# Allegro board 1155001-Timing_board_V3_20241024_1805_pcb.brd (continued)
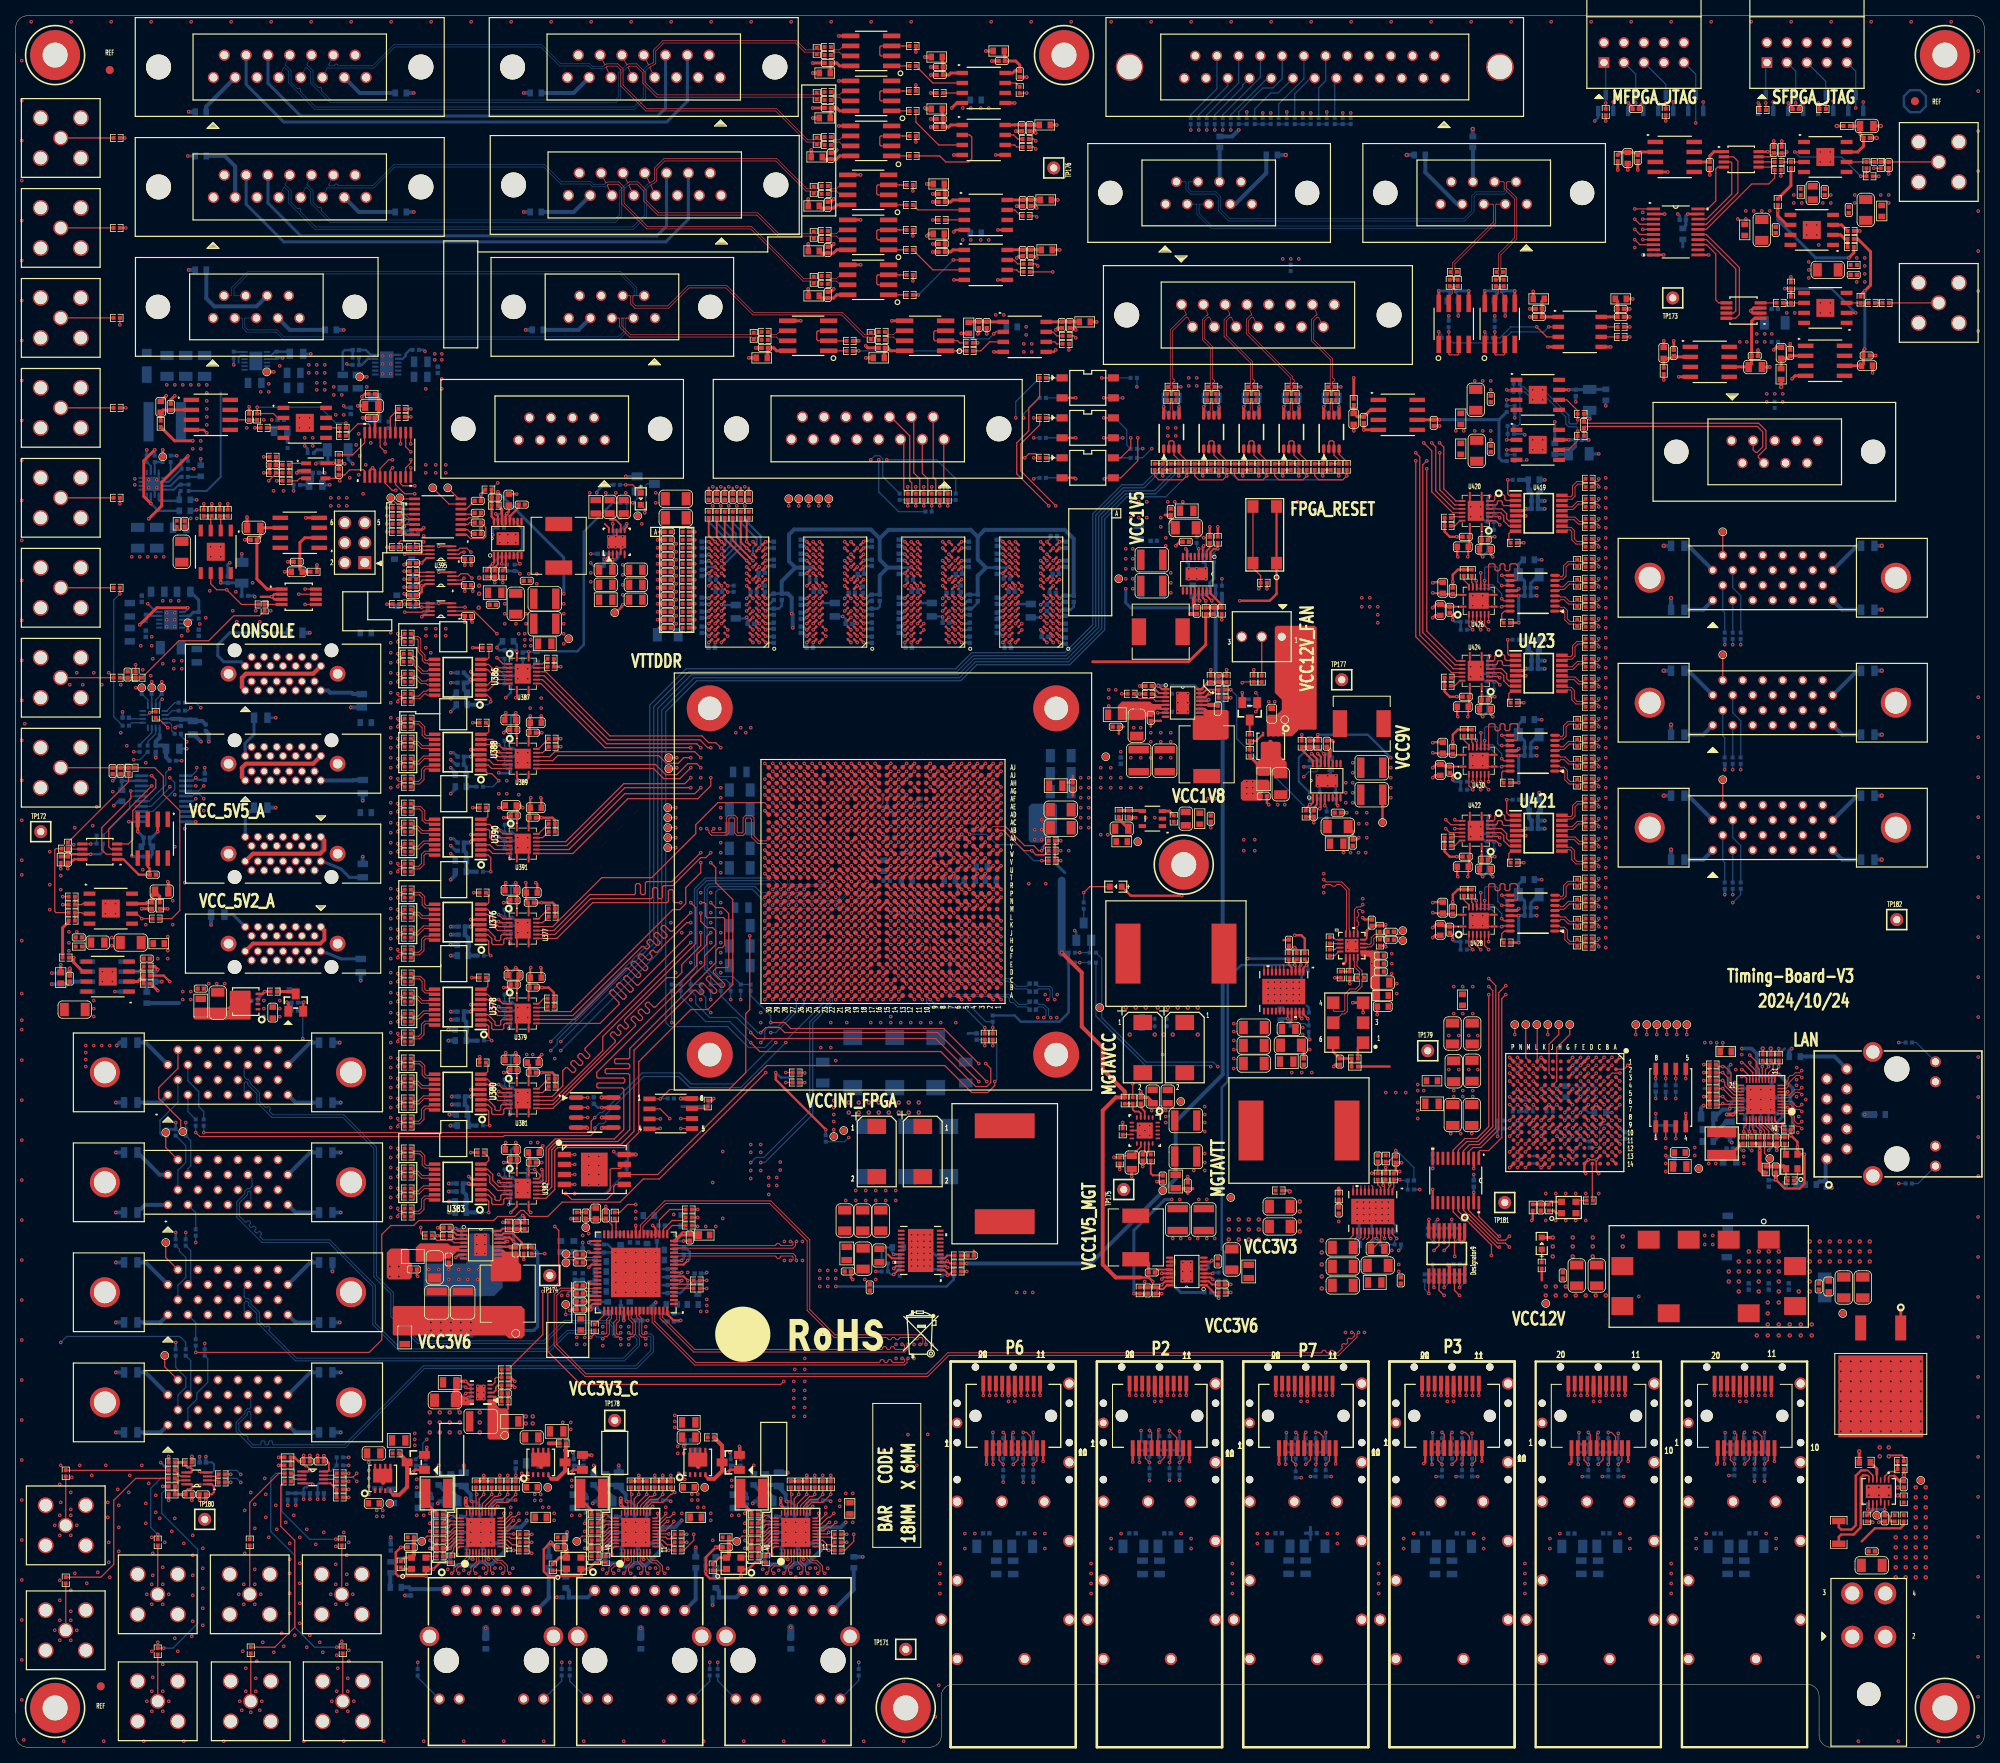
[diagram p0: board, top side]
## Routing (per net, layer and track width the routed paths; a pad name or vN(x,y) marks a point on that pad's centre or on a via; arc(x,y) is an arc through that point) (continued)
FPGA_SFP2_TX_FAULT: length 114.3
  TOP w0.157: U247.D23 v1(102.14,98) ; P2.2 142.66,36.25 v1(142.71,36.2)
  ART03 w0.117: v1(142.71,36.2) 142.08,36.83 137.41,36.83 136.53,37.72 123.44,37.72 121.54,39.62 118.11,39.62 115.19,42.55 99.95,42.55 99.44,43.05 99.44,44.7 v1(98.81,45.34)
  ART10 w0.102: v1(102.14,98) 101.74,97.6 101.74,96.02 101.54,95.82 101.54,94.81 101.23,94.5
  ART10 w0.117: 101.23,94.5 101.22,94.49 101.22,94.14 99.29,92.21 99.29,89.76 95.69,86.16 95.69,82.35 89.3,75.97 89.3,74.4 91.57,72.14 91.57,70.74 93.09,69.22 93.09,50.29 98.04,45.34 v1(98.81,45.34)
  BOTTOM w0.102: R20.2 v1(142.71,36.2)
FPGA_SFP2_TX_N: length 66.3
  TOP w0.122: U247.D1 v1(125.14,98) ; P2.19 v1(142.26,44.7)
  ART08 w0.099: v1(125.14,98) 125.23,98.09 arc(125.32,98.15) 125.42,98.17 126.19,98.17 arc(126.47,98.12) 126.7,97.96 127.44,97.23 arc(127.58,97.01) 127.64,96.75 127.64,86.56 arc(127.72,86.14) 127.96,85.78 129.81,83.93 arc(130.21,83.66) 130.69,83.57 131.77,83.57 arc(132.07,83.51) 132.32,83.34 133.61,82.04 arc(133.79,81.77) 133.86,81.45 133.86,61.22 arc(134,60.51) 134.4,59.91 139.67,54.64 arc(139.7,54.57) 139.67,54.5 139.67,54.5 arc(139.64,54.43) 139.67,54.36 139.81,54.22 arc(139.88,54.19) 139.95,54.22 arc(140.02,54.25) 140.09,54.22 140.23,54.08 arc(140.26,54.01) 140.23,53.94 arc(140.2,53.87) 140.23,53.8 140.37,53.66 arc(140.44,53.63) 140.51,53.66 arc(140.58,53.69) 140.65,53.66 140.79,53.52 arc(140.82,53.45) 140.79,53.38 140.79,53.38 arc(140.76,53.31) 140.79,53.24 140.93,53.1 arc(141,53.07) 141.07,53.1 141.07,53.1 arc(141.14,53.13) 141.21,53.1 141.35,52.96 arc(141.38,52.89) 141.35,52.82 arc(141.32,52.75) 141.35,52.68 141.49,52.54 arc(141.56,52.51) 141.63,52.54 arc(141.7,52.57) 141.77,52.54 142.01,52.3 arc(142.36,51.77) 142.48,51.15 142.48,49.06 arc(142.46,49.01) 142.41,48.99 arc(142.36,48.97) 142.34,48.92 142.34,48.66 arc(142.36,48.61) 142.41,48.59 arc(142.46,48.57) 142.48,48.52 142.48,48.27 arc(142.46,48.22) 142.41,48.19 arc(142.36,48.17) 142.34,48.12 142.34,47.87 arc(142.36,47.82) 142.41,47.8 arc(142.46,47.78) 142.48,47.73 142.48,47.47 arc(142.46,47.42) 142.41,47.4 arc(142.36,47.38) 142.34,47.33 142.34,47.08 arc(142.36,47.03) 142.41,47.01 arc(142.46,46.98) 142.48,46.93 142.48,46.68 arc(142.46,46.63) 142.41,46.61 arc(142.36,46.59) 142.34,46.54 142.34,46.28 arc(142.36,46.23) 142.41,46.21 arc(142.46,46.19) 142.48,46.14 142.48,45.89 arc(142.46,45.84) 142.41,45.82 arc(142.36,45.8) 142.34,45.75 142.34,45.49 arc(142.36,45.44) 142.41,45.42 arc(142.46,45.4) 142.48,45.35 142.48,45.08 arc(142.46,44.94) 142.38,44.83 v1(142.26,44.7)
FPGA_SFP2_TX_P: length 66.2
  TOP w0.122: U247.D2 v1(124.14,98) ; P2.18 v1(143.06,44.7)
  ART08 w0.099: v1(143.06,44.7) 142.94,44.83 arc(142.86,44.94) 142.83,45.08 142.83,51.15 arc(142.68,51.91) 142.25,52.55 134.64,60.15 arc(134.32,60.64) 134.2,61.22 134.2,81.45 arc(134.11,81.9) 133.85,82.29 132.56,83.58 arc(132.2,83.82) 131.77,83.91 130.69,83.91 arc(130.35,83.98) 130.05,84.17 128.2,86.02 arc(128.04,86.27) 127.98,86.57 127.98,96.75 arc(127.9,97.14) 127.68,97.47 126.94,98.2 arc(126.6,98.43) 126.19,98.51 125.18,98.51 arc(124.69,98.42) 124.27,98.14 v1(124.14,98)
FPGA_SFP2_VCCR: length 1.5
  TOP w0.508: P2.15 v1(145.46,44.7)
  vias: v1(145.46,43.94)
FPGA_SFP2_VCCT: length 1.5
  TOP w0.508: P2.16 v1(144.66,44.7)
  vias: v1(144.66,43.94)
FPGA_SFP3_IIC_SCL: length 67.4
  TOP w0.157: v1(126.68,40.01) 126.48,39.81 P6.5 ; U432.10 v1(180.11,58.42)
  ART05 w0.117: v1(126.68,40.01) 131.95,45.28 131.95,46.48 135.56,50.09 172.49,50.09 180.11,57.71 v1(180.11,58.42)
  BOTTOM w0.102: R2057.2 v1(126.68,40.01)
  BOTTOM w0.157: R129.2 179.96,58.57 v1(180.11,58.42)
FPGA_SFP3_IIC_SDA: length 69
  TOP w0.157: U432.9 v1(179.46,57.66) ; P6.4 125.68,39.73 v1(125.41,40.01)
  ART05 w0.117: v1(125.41,40.01) 129.47,44.07 130.12,44.07 131.51,45.46 131.51,46.66 135.36,50.51 172.31,50.51 v1(179.46,57.66)
  BOTTOM w0.102: R2058.2 v1(125.41,40.01)
  BOTTOM w0.157: R130.2 178.94,58.18 v1(179.46,57.66)
FPGA_SFP3_LOS: length 96.7
  TOP w0.157: P6.8 128.88,39.49 128.36,40.01 v1(127.95,40.01) ; U247.D26 v1(99.14,98)
  ART03 w0.102: v1(99.14,98) 99.74,97.4 99.74,94.64 99.88,94.5
  ART03 w0.117: v1(113.31,39.73) 112.9,40.13 98.55,40.13 95.25,43.43 95.25,65.28 100.97,70.99 100.97,86.99 100.38,87.58 100.38,94 99.88,94.5
  ART05 w0.117: v1(127.95,40.01) 127.39,39.45 123.49,39.45 122.76,40.18 113.77,40.18 v1(113.31,39.73)
  BOTTOM w0.102: R2053.2 v1(127.95,40.01)
FPGA_SFP3_MOD_DETECT: length 95.6
  TOP w0.157: P6.6 127.28,36.54 v1(126.68,35.94) ; U247.A28 v1(97.14,95)
  ART03 w0.117: v1(97.14,95) 97.14,94.52 98.86,92.8 98.86,71.04 93.34,65.53 93.34,42.8 97.92,38.23 112.01,38.23 v1(114.43,35.81)
  ART05 w0.117: v1(126.68,35.94) 126.22,36.4 115.01,36.4 v1(114.43,35.81)
  BOTTOM w0.102: R2054.2 v1(126.68,35.94)
FPGA_SFP3_RX_N: length 67.1
  TOP w0.122: P6.12 v1(129.28,44.7) ; U247.D5 v1(121.14,98)
  ART10 w0.099: v1(129.28,44.7) 129.16,44.83 arc(129.08,44.94) 129.05,45.08 129.05,55.12 arc(129.15,55.61) 129.42,56.02 132.65,59.24 arc(133.05,59.84) 133.18,60.54 133.18,81.01 arc(133.09,81.48) 132.83,81.87 132.51,82.19 arc(132.1,82.46) 131.61,82.56 130.27,82.56 arc(129.45,82.72) 128.76,83.18 127.03,84.91 arc(126.6,85.55) 126.45,86.29 126.45,97.04 arc(126.27,97.49) 125.82,97.67 125.55,97.67 125.49,97.6 125.46,97.6
  ART10 w0.102: 125.46,97.6 120.87,97.6 arc(120.77,97.64) 120.73,97.75 120.73,97.9 arc(120.76,97.97) 120.83,98 v1(121.14,98)
FPGA_SFP3_RX_P: length 67
  TOP w0.122: P6.13 v1(128.48,44.7) ; U247.D6 v1(120.14,98)
  ART10 w0.099: v1(128.48,44.7) 128.6,44.83 arc(128.68,44.94) 128.71,45.08 128.71,45.33 arc(128.69,45.37) 128.66,45.38 arc(128.62,45.4) 128.6,45.44 128.6,45.72 arc(128.62,45.76) 128.66,45.78 arc(128.69,45.8) 128.71,45.83 128.71,55.12 arc(128.83,55.74) 129.18,56.26 132.41,59.49 arc(132.73,59.97) 132.84,60.54 132.84,81.01 arc(132.78,81.35) 132.59,81.63 132.27,81.94 arc(131.97,82.14) 131.61,82.22 130.27,82.22 arc(129.32,82.4) 128.51,82.94 126.78,84.67 arc(126.29,85.42) 126.11,86.29 126.11,97.04 arc(126.03,97.24) 125.82,97.33 125.55,97.33 125.49,97.4 125.46,97.4
  ART10 w0.102: 125.46,97.4 120.87,97.4 arc(120.63,97.5) 120.52,97.75 120.52,97.9 arc(120.49,97.97) 120.42,98 v1(120.14,98)
FPGA_SFP3_TX_FAULT: length 90.1
  TOP w0.157: v1(124.14,35.94) 124.14,36.07 124.08,36.13 P6.2 ; U247.B24 v1(101.14,96)
  ART03 w0.102: v1(101.14,96) 101.54,95.6 101.54,94.8 101.02,94.28 101.02,94.23
  ART03 w0.117: 101.02,94.23 101.02,87.84 101.6,87.26 101.6,70.76 96.01,65.18 96.01,43.69 98.81,40.89 113.47,40.89 117.92,36.45 123.63,36.45 v1(124.14,35.94)
  BOTTOM w0.102: R2055.2 v1(124.14,35.94)
FPGA_SFP3_TX_N: length 67.6
  TOP w0.122: U247.C3 v1(123.14,97) ; P6.19 v1(123.68,44.7)
  ART08 w0.099: v1(123.68,44.7) 123.8,44.83 arc(123.88,44.94) 123.91,45.08 123.91,45.17 arc(123.88,45.24) 123.82,45.27 arc(123.75,45.29) 123.72,45.36 123.72,45.57 arc(123.75,45.64) 123.82,45.66 arc(123.88,45.69) 123.91,45.76 123.91,45.97 arc(123.88,46.03) 123.82,46.06 arc(123.75,46.09) 123.72,46.15 123.72,46.36 arc(123.75,46.43) 123.82,46.46 arc(123.88,46.48) 123.91,46.55 123.91,46.76 arc(123.88,46.82) 123.82,46.85 arc(123.75,46.88) 123.72,46.95 123.72,47.16 arc(123.75,47.22) 123.82,47.25 arc(123.88,47.28) 123.91,47.34 123.91,47.55 arc(123.88,47.62) 123.82,47.64 arc(123.75,47.67) 123.72,47.74 123.72,47.95 arc(123.75,48.01) 123.82,48.04 arc(123.88,48.07) 123.91,48.13 123.91,50.82 arc(124.06,51.56) 124.48,52.19 132.37,60.08 arc(132.72,60.61) 132.84,61.23 132.84,81.18 arc(132.81,81.36) 132.71,81.51 132.13,82.08 arc(131.98,82.18) 131.81,82.22 129.82,82.22 arc(129.28,82.32) 128.83,82.63 126.75,84.7 arc(126.28,85.41) 126.11,86.25 126.11,97.23 arc(126.08,97.3) 126.01,97.33 125.73,97.33 125.66,97.4 125.64,97.4
  ART08 w0.102: v1(123.14,97) 122.83,97 arc(122.76,97.03) 122.73,97.1 122.73,97.25 arc(122.77,97.36) 122.87,97.4 123.64,97.4 125.64,97.4
FPGA_SFP3_TX_P: length 67.6
  TOP w0.122: U247.C4 v1(122.14,97) ; P6.18 v1(124.48,44.7)
  ART08 w0.099: 125.64,97.6 125.66,97.6 125.73,97.67 126.01,97.67 arc(126.32,97.54) 126.45,97.23 126.45,86.25 arc(126.6,85.54) 127,84.94 129.07,82.87 arc(129.41,82.64) 129.82,82.56 131.81,82.56 arc(132.12,82.5) 132.38,82.32 132.95,81.75 arc(133.12,81.49) 133.18,81.18 133.18,61.23 arc(133.04,60.48) 132.61,59.84 124.72,51.95 arc(124.38,51.43) 124.25,50.82 124.25,45.08 arc(124.28,44.94) 124.36,44.83 v1(124.48,44.7)
  ART08 w0.102: 125.64,97.6 123.56,97.6 122.87,97.6 arc(122.63,97.5) 122.52,97.25 122.52,97.1 arc(122.49,97.03) 122.42,97 v1(122.14,97)
FPGA_SFP3_VCCR: length 1.5
  TOP w0.508: v1(126.88,44.7) P6.15
  vias: v1(126.88,43.94)
FPGA_SFP3_VCCT: length 1.5
  TOP w0.508: P6.16 v1(126.08,44.7)
  vias: v1(126.08,43.94)
FPGA_SFP4_IIC_SCL: length 33.1
  TOP w0.157: v1(163.83,40.01) 163.63,39.81 P7.5 ; v1(181.41,58.42) U432.12
  ART05 w0.117: v1(181.41,58.42) 181.86,57.97 181.86,56.9 172.46,47.5 170.31,47.5 168.7,45.89 168.7,44.18 165.08,40.56 164.39,40.56 v1(163.83,40.01)
  BOTTOM w0.102: R2065.2 v1(163.83,40.01)
  BOTTOM w0.157: R134.2 181.99,59 v1(181.41,58.42)
FPGA_SFP4_IIC_SDA: length 35.1
  TOP w0.157: v1(181.41,57.4) 180.76,58.05 U432.11 ; P7.4 162.83,39.73 v1(162.56,40.01)
  ART05 w0.117: v1(181.41,57.4) 181.41,57.12 172.23,47.95 170.12,47.95 168.25,46.08 168.25,44.37 164.95,41.07 163.63,41.07 v1(162.56,40.01)
  BOTTOM w0.102: R2066.2 v1(162.56,40.01)
  BOTTOM w0.157: v1(181.41,57.4) 181.4,57.4 180.76,58.04 180.76,59.08 R133.2
FPGA_SFP4_LOS: length 139.9
  TOP w0.157: U247.E28 v1(97.14,99) ; v1(165.1,40.01) 165.51,40.01 166.03,39.49 P7.8
  ART03 w0.102: 101.6,94.36 101.74,94.5 101.74,97.14 101.47,97.41 100.84,97.41 100.58,97.66 100.58,98.17 100.15,98.6 97.87,98.6 97.48,99 v1(97.14,99)
  ART03 w0.117: 101.6,94.36 101.6,88.27 101.93,87.93 101.93,70.64 96.39,65.1 96.39,43.81 98.93,41.27 113.54,41.27 117.98,36.83 131.06,36.83 132.79,35.1 148.51,35.1 150.75,37.34 162.43,37.34 v1(165.1,40.01)
  BOTTOM w0.102: R2061.2 v1(165.1,40.01)
FPGA_SFP4_MOD_DETECT: length 131.8
  TOP w0.157: U247.B25 v1(100.14,96) ; v1(163.83,35.94) 164.43,36.54 P7.6
  ART03 w0.117: v1(163.83,35.94) 163.19,36.58 156.59,36.58 154.81,34.8 131.83,34.8 131.19,35.43 118.39,35.43 113.31,40.51 98.68,40.51 95.63,43.56 95.63,65.23 101.27,70.87 101.27,87.12 100.69,87.71 100.69,95.45 v1(100.14,96)
  BOTTOM w0.102: R2062.2 v1(163.83,35.94)
FPGA_SFP4_RX_N: length 92.3
  TOP w0.122: U247.F5 v1(121.14,100) ; P7.12 v1(166.43,44.7)
  ART10 w0.099: v1(166.43,44.7) 166.43,44.71 166.31,44.83 arc(166.23,44.94) 166.2,45.08 166.2,48.93 arc(165.74,50.05) 164.63,50.51 147.5,50.51 arc(146.73,50.66) 146.08,51.1 135.76,61.42 arc(135.36,62.01) 135.22,62.72 135.22,81.76 arc(135.07,82.5) 134.65,83.14 133.35,84.43 arc(132.76,84.82) 132.06,84.96 131.23,84.96 arc(130.72,85.06) 130.3,85.35 129.64,86 arc(129.38,86.4) 129.29,86.86 129.29,97.31 arc(129.18,97.87) 128.86,98.34 127.94,99.26 arc(127.59,99.52) 127.18,99.65 arc(127.16,99.66) 127.13,99.66 arc(127.04,99.67) 126.95,99.67 125.52,99.67 125.45,99.6 125.43,99.6
  ART10 w0.102: v1(121.14,100) 120.83,100 arc(120.76,99.97) 120.73,99.9 120.73,99.75 arc(120.77,99.64) 120.87,99.6 125.43,99.6
FPGA_SFP4_RX_P: length 92.2
  TOP w0.122: P7.13 v1(165.63,44.7) ; U247.F6 v1(120.14,100)
  ART10 w0.099: 125.43,99.4 125.45,99.4 125.52,99.33 126.95,99.33 arc(127.04,99.33) 127.13,99.31 arc(127.43,99.21) 127.7,99.02 128.62,98.1 arc(128.86,97.74) 128.94,97.31 128.94,86.86 arc(129.06,86.27) 129.4,85.76 130.06,85.11 arc(130.59,84.75) 131.23,84.62 132.06,84.62 arc(132.63,84.51) 133.11,84.19 134.4,82.89 arc(134.75,82.37) 134.87,81.76 134.87,62.72 arc(135.04,61.88) 135.51,61.17 145.83,50.85 arc(146.6,50.34) 147.5,50.16 164.63,50.16 arc(165.5,49.8) 165.86,48.93 165.86,45.73 arc(165.84,45.68) 165.8,45.66 arc(165.75,45.64) 165.74,45.6 165.74,45.33 arc(165.75,45.28) 165.8,45.27 arc(165.84,45.25) 165.86,45.2 165.86,45.09 arc(165.83,44.95) 165.75,44.83 v1(165.63,44.7)
  ART10 w0.102: 125.43,99.4 120.87,99.4 arc(120.63,99.5) 120.52,99.75 120.52,99.9 arc(120.49,99.97) 120.42,100 v1(120.14,100)
FPGA_SFP4_TX_FAULT: length 132.1
  TOP w0.157: U247.C26 v1(99.14,97) ; P7.2 161.23,36.13 161.29,36.07 v1(161.29,35.94)
  ART03 w0.102: 99.54,94.49 99.54,96.6 v1(99.14,97)
  ART03 w0.117: 99.54,94.49 99.54,94.27 100.08,93.73 100.08,87.45 100.66,86.87 100.66,71.12 94.87,65.33 94.87,43.31 98.42,39.75 112.65,39.75 117.35,35.05 131.06,35.05 133.07,33.05 158.39,33.05 v1(161.29,35.94)
  BOTTOM w0.102: R2063.2 v1(161.29,35.94)
FPGA_SFP4_TX_N: length 81.8
  TOP w0.122: P7.19 v1(160.83,44.7) ; U247.F1 v1(125.14,100)
  ART08 w0.099: v1(160.83,44.7) 160.96,44.83 arc(161.04,44.96) 161.07,45.11 161.07,45.45 arc(160.87,45.94) 160.39,46.14 160.17,46.14 arc(160.09,46.11) 160.06,46.03 arc(160.03,45.95) 159.95,45.92 159.77,45.92 arc(159.7,45.95) 159.66,46.03 arc(159.63,46.11) 159.56,46.14 159.38,46.14 arc(159.3,46.11) 159.27,46.03 arc(159.24,45.95) 159.16,45.92 158.98,45.92 arc(158.9,45.95) 158.87,46.03 arc(158.84,46.11) 158.76,46.14 158.58,46.14 arc(158.51,46.11) 158.47,46.03 arc(158.44,45.95) 158.37,45.92 158.19,45.92 arc(158.11,45.95) 158.08,46.03 arc(158.05,46.11) 157.97,46.14 157.82,46.14 arc(156.77,46.35) 155.88,46.94 155.74,47.08 arc(155.66,47.11) 155.59,47.08 arc(155.51,47.05) 155.44,47.08 155.31,47.21 arc(155.28,47.28) 155.31,47.36 arc(155.34,47.43) 155.31,47.51 155.18,47.64 arc(155.1,47.67) 155.03,47.64 arc(154.95,47.61) 154.88,47.64 154.75,47.77 arc(154.72,47.84) 154.75,47.92 arc(154.78,48) 154.75,48.07 154.62,48.2 arc(154.54,48.23) 154.47,48.2 arc(154.39,48.17) 154.31,48.2 154.19,48.33 arc(154.15,48.4) 154.19,48.48 arc(154.22,48.56) 154.19,48.63 154.06,48.76 arc(153.98,48.79) 153.91,48.76 arc(153.83,48.73) 153.75,48.76 153.63,48.89 arc(153.59,48.96) 153.63,49.04 arc(153.66,49.12) 153.63,49.19 153.08,49.74 arc(152.61,50.05) 152.05,50.16 146.73,50.16 arc(146.1,50.29) 145.57,50.64 135.41,60.8 arc(135.01,61.4) 134.87,62.1 134.87,82.08 arc(134.81,82.4) 134.63,82.67 132.89,84.4 arc(132.65,84.56) 132.37,84.62 131.24,84.62 arc(130.59,84.75) 130.04,85.12 129.26,85.9 arc(129.02,86.25) 128.94,86.66 128.94,96.72 128.94,96.72 arc(128.87,97.09) 128.66,97.4 125.92,100.14 arc(125.81,100.21) 125.67,100.24 125.54,100.24 arc(125.39,100.21) 125.27,100.13 v1(125.14,100)
FPGA_SFP4_TX_P: length 81.7
  TOP w0.122: U247.F2 v1(124.14,100) ; P7.18 v1(161.63,44.7)
  ART08 w0.099: v1(124.14,100) 124.56,100.42 arc(124.74,100.54) 124.95,100.58 125.67,100.58 arc(125.94,100.53) 126.17,100.38 128.91,97.64 arc(129.19,97.22) 129.29,96.72 129.29,86.66 arc(129.34,86.38) 129.5,86.15 130.29,85.36 arc(130.73,85.07) 131.24,84.96 132.37,84.96 arc(132.79,84.88) 133.14,84.65 134.87,82.91 arc(135.13,82.53) 135.22,82.08 135.22,62.1 arc(135.33,61.53) 135.66,61.04 145.81,50.89 arc(146.23,50.61) 146.73,50.51 152.05,50.51 arc(152.74,50.37) 153.32,49.98 156.12,47.19 arc(156.9,46.67) 157.82,46.48 160.39,46.48 arc(161.11,46.18) 161.42,45.45 161.42,45.07 arc(161.44,44.94) 161.52,44.83 161.63,44.72 v1(161.63,44.7)
FPGA_SFP4_VCCR: length 3.8
  TOP w0.508: v1(164.03,44.7) P7.15
  BOTTOM w0.305: C2408.1 164.43,26.32
  BOTTOM w0.381: 163.77,27.18 163.79,27.2 C2408.1 164.43,27.91 164.4,27.94
  vias: v1(164.03,43.94)
FPGA_SFP4_VCCT: length 1.5
  TOP w0.508: P7.16 v1(163.23,44.7)
  vias: v1(163.23,43.94)
FPGA_SFP5_IIC_SCL: length 209.5
  TOP w0.122: U247.H30 v1(95.14,102)
  TOP w0.157: v1(219.56,40.01) 219.36,39.81 P8.5
  ART03 w0.102: v1(95.14,102) 95.14,101.71 95.74,101.11 95.74,94.74 95.89,94.6 95.89,94.36
  ART03 w0.117: v1(219.56,40.01) 219.99,40.44 221.03,40.44 221.28,40.19 221.28,39.29 220.4,38.4 220.4,35.64 214.47,29.72 119,29.72 111.89,36.83 97.79,36.83 92.2,42.42 92.2,65.7 97.92,71.42 97.92,76.44 97.36,77 97.36,92.76 95.89,94.23 95.89,94.36
  BOTTOM w0.102: R3183.2 v1(219.56,40.01)
FPGA_SFP5_IIC_SDA: length 211.8
  TOP w0.122: U247.G30 v1(95.14,101)
  TOP w0.157: v1(218.29,40.01) 218.56,39.73 P8.4
  ART03 w0.102: v1(95.14,101) 95.54,100.6 95.54,94.49
  ART03 w0.117: v1(218.29,40.01) 219.02,40.74 221.26,40.74 221.66,40.35 221.66,36.11 219.46,33.91 219.2,33.91 214.63,29.34 118.87,29.34 111.76,36.45 97.66,36.45 91.82,42.29 91.82,65.78 97.59,71.55 97.59,76.31 97.03,76.87 97.03,92.59 95.54,94.09 95.54,94.49
  BOTTOM w0.102: R3184.2 v1(218.29,40.01)
FPGA_SFP5_LOS: length 206.4
  TOP w0.122: U247.H27 v1(98.14,102)
  TOP w0.157: v1(220.83,40.01) 221.24,40.01 221.76,39.49 P8.8
  ART03 w0.102: 97.54,98.17 97.31,98.4 96.67,98.4 96.54,98.54 96.54,99.46 96.68,99.6 97.32,99.6 97.74,100.03 97.74,101.6 v1(98.14,102)
  ART03 w0.117: 97.54,98.17 97.66,98.04 97.66,94.49 99.16,92.99 99.16,70.93 93.73,65.49 93.73,42.93 98.04,38.61 112.27,38.61 118.49,32.38 131.8,32.38 134.08,30.1 214.31,30.1 220.04,35.83 220.04,39.22 v1(220.83,40.01)
  BOTTOM w0.102: R3179.2 v1(220.83,40.01)
FPGA_SFP5_MOD_DETECT: length 199.6
  TOP w0.122: U247.H26 v1(99.14,102)
  TOP w0.157: v1(219.56,35.99) 220.16,36.59 P8.6
  ART03 w0.102: v1(99.14,102) 98.68,101.54 98.68,99.82 98.26,99.4 96.86,99.4 96.74,99.28 96.74,98.71 96.85,98.6 97.49,98.6 97.69,98.4 98.32,98.4 98.74,97.98 98.74,94.81 99.06,94.49
  ART03 w0.117: 99.06,94.49 99.06,94.11 99.77,93.4 99.77,70.69 94.49,65.41 94.49,43.18 98.3,39.37 112.52,39.37 118.75,33.15 132.08,33.15 132.54,32.69 208.2,32.69 211.96,36.45 219.05,36.45 219.5,35.99 v1(219.56,35.99)
  BOTTOM w0.102: R3180.2 v1(219.56,35.99)
FPGA_SFP5_RX_N: length 132.1
  TOP w0.122: P8.12 v1(222.16,44.7) ; U247.H5 v1(121.14,102)
  ART10 w0.099: v1(222.16,44.7) 222.04,44.58 arc(221.96,44.46) 221.93,44.32 221.93,44.28 arc(221.89,44.11) 221.8,43.97 221.26,43.43 arc(220.88,43.18) 220.43,43.09 217.09,43.09 arc(216.09,43.29) 215.25,43.85 210.46,48.65 arc(208.83,49.73) 206.92,50.11 197.17,50.11 arc(195.04,50.54) 193.24,51.74 191.4,53.58 arc(189.24,55.03) 186.68,55.54 178.54,55.54 arc(176.32,55.98) 174.43,57.24 171.1,60.57 arc(169.6,61.57) 167.82,61.93 166.12,61.93 arc(165.22,62.1) 164.46,62.61 150.97,76.1 arc(149.85,76.85) 148.53,77.11 148.26,77.11 arc(147.04,77.36) 146.01,78.05 140.87,83.18 arc(140.34,83.97) 140.16,84.91 140.16,90.63 arc(140,91.45) 139.53,92.14 130.65,101.02 arc(129.2,101.99) 127.49,102.33 125.52,102.33 125.45,102.4 125.43,102.4
  ART10 w0.102: v1(121.14,102) 120.83,102 arc(120.76,102.03) 120.73,102.1 120.73,102.25 arc(120.77,102.36) 120.87,102.4 125.43,102.4
FPGA_SFP5_RX_P: length 132
  TOP w0.122: U247.H6 v1(120.14,102) ; P8.13 v1(221.36,44.7)
  ART10 w0.099: v1(221.36,44.7) 221.48,44.58 arc(221.56,44.46) 221.59,44.32 221.59,44.28 arc(221.58,44.25) 221.56,44.21 221.02,43.68 arc(220.75,43.5) 220.43,43.43 217.82,43.43 arc(217.77,43.45) 217.75,43.5 arc(217.74,43.54) 217.69,43.56 217.42,43.56 arc(217.38,43.54) 217.36,43.5 arc(217.34,43.45) 217.29,43.43 217.09,43.43 arc(216.23,43.61) 215.49,44.1 210.7,48.89 arc(208.96,50.05) 206.92,50.46 197.17,50.46 arc(195.18,50.85) 193.49,51.98 191.64,53.83 arc(189.37,55.35) 186.68,55.88 178.54,55.88 arc(176.45,56.3) 174.68,57.48 171.35,60.81 arc(169.73,61.89) 167.82,62.27 166.12,62.27 arc(165.36,62.42) 164.71,62.86 151.22,76.35 arc(149.98,77.17) 148.53,77.46 148.26,77.46 arc(147.17,77.67) 146.25,78.29 141.11,83.42 arc(140.66,84.1) 140.5,84.91 140.5,90.63 arc(140.31,91.58) 139.78,92.38 130.9,101.26 arc(129.33,102.3) 127.49,102.67 125.52,102.67 125.45,102.6 125.43,102.6
  ART10 w0.102: 125.43,102.6 120.87,102.6 arc(120.63,102.5) 120.52,102.25 120.52,102.1 arc(120.49,102.03) 120.42,102 v1(120.14,102)
FPGA_SFP5_TX_FAULT: length 189
  TOP w0.157: v1(217.02,35.99) 217.02,36.12 216.96,36.18 P8.2 ; U247.C27 v1(98.14,97)
  ART03 w0.102: v1(98.14,97) 98.54,96.6 98.54,94.12
  ART03 w0.117: v1(217.02,35.99) 213.36,32.33 132.38,32.33 131.95,32.77 118.62,32.77 112.39,38.99 98.17,38.99 94.11,43.05 94.11,65.44 99.47,70.8 99.47,93.19 98.54,94.12
  BOTTOM w0.102: R3181.2 v1(217.02,35.99)
FPGA_SFP5_TX_N: length 131.8
  TOP w0.122: P8.19 v1(216.56,44.7) ; U247.J3 v1(123.14,103)
  ART08 w0.099: 122.74,104.17 122.74,104.2 122.81,104.27 122.81,104.51 arc(122.83,104.64) 122.91,104.75 123.3,105.14 arc(123.63,105.36) 124.01,105.44 125.94,105.44 arc(126.21,105.38) 126.45,105.23 136.04,95.63 arc(137.43,93.55) 137.92,91.09 137.92,88.7 arc(138.39,86.32) 139.74,84.31 145.86,78.19 arc(147.04,77.4) 148.42,77.13 149.55,77.13 arc(149.92,77.05) 150.24,76.84 152.4,74.67 arc(152.68,74.25) 152.78,73.76 152.78,73.44 arc(152.88,72.94) 153.16,72.52 158.94,66.74 arc(159.96,65.22) 160.31,63.43 160.31,62.75 arc(160.81,60.26) 162.22,58.15 168.14,52.23 arc(168.83,51.76) 169.65,51.6 204.62,51.6 arc(206.11,51.3) 207.37,50.46 208.75,49.09 arc(208.77,49.02) 208.75,48.95 208.75,48.95 arc(208.72,48.88) 208.75,48.81 208.89,48.67 arc(208.96,48.64) 209.03,48.67 arc(209.1,48.7) 209.16,48.67 209.31,48.53 arc(209.34,48.46) 209.31,48.39 arc(209.28,48.32) 209.31,48.25 209.45,48.11 arc(209.52,48.08) 209.59,48.11 arc(209.66,48.14) 209.73,48.11 209.87,47.97 arc(209.9,47.9) 209.87,47.83 209.87,47.83 arc(209.84,47.76) 209.87,47.69 210.01,47.55 arc(210.08,47.52) 210.15,47.55 210.15,47.55 arc(210.22,47.58) 210.29,47.55 210.43,47.4 arc(210.46,47.34) 210.43,47.27 arc(210.4,47.2) 210.43,47.13 210.57,46.99 arc(210.64,46.96) 210.71,46.99 arc(210.78,47.01) 210.85,46.99 210.99,46.84 arc(211.02,46.77) 210.99,46.71 arc(210.96,46.64) 210.99,46.57 211.13,46.43 arc(211.2,46.4) 211.27,46.43 arc(211.34,46.45) 211.41,46.43 211.6,46.23 arc(212.03,45.95) 212.53,45.85 215.64,45.85 arc(216,45.77) 216.3,45.57 216.72,45.15 arc(216.77,45.08) 216.79,45 216.79,44.8 arc(216.76,44.73) 216.69,44.7 v1(216.56,44.7)
  ART08 w0.102: 122.74,104.17 122.74,103.1 arc(122.77,103.03) 122.84,103 v1(123.14,103)
FPGA_SFP5_TX_P: length 131.8
  TOP w0.122: P8.18 v1(217.36,44.7) ; U247.J4 v1(122.14,103)
  ART08 w0.099: v1(217.36,44.7) 217.23,44.7 arc(217.16,44.73) 217.13,44.8 217.13,45 arc(217.09,45.21) 216.96,45.39 216.55,45.81 arc(216.13,46.09) 215.64,46.19 212.53,46.19 arc(212.16,46.26) 211.85,46.47 207.61,50.7 arc(206.24,51.62) 204.62,51.94 169.65,51.94 arc(168.97,52.08) 168.38,52.47 162.46,58.39 arc(161.12,60.39) 160.66,62.75 160.66,63.43 arc(160.27,65.35) 159.19,66.98 153.41,72.76 arc(153.2,73.07) 153.12,73.44 153.12,73.76 arc(153,74.39) 152.65,74.92 150.48,77.08 arc(150.05,77.37) 149.55,77.47 148.42,77.47 arc(147.17,77.72) 146.11,78.43 139.98,84.55 arc(138.71,86.46) 138.26,88.7 138.26,91.09 arc(137.75,93.68) 136.28,95.87 126.69,105.47 arc(126.34,105.7) 125.94,105.78 124.01,105.78 arc(123.5,105.68) 123.06,105.39 122.67,104.99 arc(122.52,104.77) 122.47,104.51 122.47,104.27 122.54,104.2 122.54,104.17
  ART08 w0.102: v1(122.14,103) 122.43,103 arc(122.51,103.03) 122.54,103.1 122.54,104.17
FPGA_SFP5_VCCR: length 1.5
  TOP w0.508: P8.15 v1(219.76,44.7)
  vias: v1(219.76,43.94)
FPGA_SFP5_VCCT: length 1.5
  TOP w0.508: P8.16 v1(218.96,44.7)
  vias: v1(218.96,43.94)
FPGA_SFP6_IIC_SCL: length 40.5
  TOP w0.157: v1(200.98,40.01) 200.78,39.81 P9.5 ; U431.16 183.21,68.13 184.06,67.27 184.44,67.27 188.18,63.54 v1(188.43,63.54)
  ART05 w0.117: v1(188.43,63.54) 188.43,51.6 196.02,44.01 197.29,44.01 200.98,40.32 v1(200.98,40.01)
  BOTTOM w0.102: R3194.2 v1(200.98,40.01)
FPGA_SFP6_IIC_SCL_1V8: length 229.7
  TOP w0.157: U247.V22 v1(103.14,113) ; U431.5 183.21,75.89 184.28,76.96 185.7,76.96 187.58,78.84 187.58,96.14 v1(187.07,96.65)
  ART03 w0.102: v1(103.14,113) 102.74,113.4 102.74,114.3 102.44,114.6 95.96,114.6 95.76,114.81
  ART03 w0.117: 95.76,114.81 94.26,116.31 94.26,121.64 88.14,127.76 86.61,127.76 84.02,130.35 84.02,135.33 85.47,136.77 85.47,154.3 86.36,155.19 133.35,155.19 136.73,151.82 142.39,151.82 143.71,150.5 170.81,150.5 177.95,143.36 177.95,141.32 180.39,138.88 180.39,113.87 183.14,111.12 184.53,111.12 187.58,108.08 187.58,98.93 186.63,97.99 186.63,97.09 v1(187.07,96.65)
FPGA_SFP6_IIC_SDA: length 40.3
  TOP w0.157: v1(199.71,40.01) 199.98,39.73 P9.4 ; U431.15 182.55,68.02 183.7,66.87 184.34,66.87 187.41,63.8 v1(187.41,62.48)
  ART05 w0.117: v1(187.41,62.48) 187.41,51.98 195.83,43.56 197.1,43.56 199.71,40.95 v1(199.71,40.01)
  BOTTOM w0.102: R3195.2 v1(199.71,40.01)
FPGA_SFP6_IIC_SDA_1V8: length 234.7
  TOP w0.157: U247.V24 v1(102.14,112) ; U431.6 182.55,75.87 184.02,77.34 185.55,77.34 187.07,78.87 v1(187.07,95.63)
  ART03 w0.102: 94.74,113.79 94.93,113.6 101.16,113.6 101.73,113.03 101.73,112.41 v1(102.14,112)
  ART03 w0.117: v1(187.07,95.63) 189.23,97.79 189.23,109.79 187.14,111.89 183.45,111.89 181.13,114.21 181.13,139.89 178.71,142.31 178.71,143.61 171.2,151.13 144.43,151.13 142.4,153.16 136.43,153.16 133.63,155.96 86.11,155.96 84.88,154.73 84.88,137.29 83.41,135.82 83.41,129.95 86.87,126.49 87.45,126.49 87.8,126.14 88.63,126.14 93.64,121.13 93.64,115.94 94.69,114.88 94.69,113.84 94.74,113.79
FPGA_SFP6_LOS: length 47.6
  TOP w0.157: v1(202.25,40.01) 202.66,40.01 203.18,39.49 P9.8 ; v1(189.7,63.54) 189.19,64.05 188.18,64.05 184.55,67.67 184.42,67.67 183.86,68.24 U431.17
  ART05 w0.117: v1(189.7,63.54) 189.7,55.22 193,51.91 199.82,51.91 205.63,46.11 205.63,44.08 202.25,40.71 v1(202.25,40.01)
  BOTTOM w0.102: R3190.2 v1(202.25,40.01)
FPGA_SFP6_LOS_1V8: length 231.8
  TOP w0.157: U247.U23 v1(103.14,112) ; U431.4 183.86,75.78 184.66,76.58 185.86,76.58 187.96,78.68 187.96,96.77 v1(187.07,97.66)